# Allegro board 8880F5-0823_RXTX.brd (continued)
## Placement (name value [footprint] x y rotation side) (continued)
TP_AUXVCC  TP01  [TP_040_T]  101.29 247.61 180 top
TP_AVDD11_RX  TP01  [TP_040_T]  158.96 292.1 180 top
TP_AVDD11_XTAL  TP01  [TP_040_T]  201.21 275.59 0 top
TP_AVDD18_RX  TP01  [TP_040_T]  168.7 292.1 0 top
TP_PLL_M_VDD33  TP01  [TP_040_T]  201.21 292.1 0 top
TP_PLL_TX_VDD33  TP01  [TP_040_T]  191.48 292.1 180 top
TP_VCC3V3  TP01  [TP_040_T]  96.42 247.66 180 top
TP_VDD_IO_33  TP01  [TP_040_T]  175.47 292.1 180 top
TP_VDD_TXREG_33_B  TP01  [TP_040_T]  168.7 275.59 0 top
TP_VDD_TXREG_33_T  TP01  [TP_040_T]  158.96 275.59 180 top
TP_VDDA_33_LV  TP01  [TP_040_T]  185.21 292.1 0 top
TP_VDDC_11  TP01  [TP_040_T]  118.32 290.83 180 top
TP_VDDTXPST_11_B  TP01  [TP_040_T]  185.21 275.59 0 top
TP_VDDTXPST_11_T  TP01  [TP_040_T]  175.47 275.59 180 top
TP_XTAL_IN  TP01  [TP_040_T]  226.85 271.67 0 top
TP_XTAL_OUT  TP01  [TP_040_T]  226.85 276.97 0 top
TPL1  TPL01  [TPL_040_014_TB]  73.41 239.01 0 top
TPL2  TPL01  [TPL_040_014_TB]  78.49 244.09 0 top
TPL3  TPL01  [TPL_040_014_TB]  68.33 228.85 0 top
TPL4  TPL01  [TPL_040_014_TB]  68.33 239.01 0 top
TPL5  TPL01  [TPL_040_014_TB]  73.41 244.09 0 top
TPL6  TPL01  [TPL_040_014_TB]  68.33 233.93 0 top
TPL7  TPL01  [TPL_040_014_TB]  78.49 233.93 0 top
TPL8  TPL01  [TPL_040_014_TB]  73.41 233.93 0 top
TPL9  TPL01  [TPL_040_014_TB]  68.33 244.09 0 top
TPL10  TPL01  [TPL_040_014_TB]  78.49 239.01 0 top
TPL11  TPL01  [TPL_040_014_TB]  73.41 218.69 0 top
TPL12  TPL01  [TPL_040_014_TB]  78.49 218.69 0 top
TPL13  TPL01  [TPL_040_014_TB]  83.57 223.77 0 top
TPL14  TPL01  [TPL_040_014_TB]  83.57 218.69 0 top
TPL15  TPL01  [TPL_040_014_TB]  73.41 228.85 0 top
TPL16  TPL01  [TPL_040_014_TB]  68.33 223.77 0 top
TPL17  TPL01  [TPL_040_014_TB]  68.33 218.69 0 top
TPL18  TPL01  [TPL_040_014_TB]  78.49 223.77 0 top
TPL19  TPL01  [TPL_040_014_TB]  73.41 223.77 0 top
TPL20  TPL01  [TPL_040_014_TB]  78.49 228.85 0 top
TPL21  TPL01  [TPL_040_014_TB]  452.63 249.17 0 top
TPL22  TPL01  [TPL_040_014_TB]  452.63 259.33 0 top
TPL23  TPL01  [TPL_040_014_TB]  452.63 264.41 0 top
TPL24  TPL01  [TPL_040_014_TB]  452.63 254.25 0 top
TPL25  TPL01  [TPL_040_014_TB]  452.63 244.09 0 top
TPL26  TPL01  [TPL_040_014_TB]  457.71 244.09 0 top
TPL27  TPL01  [TPL_040_014_TB]  452.63 269.49 0 top
TPL28  TPL01  [TPL_040_014_TB]  457.71 249.17 0 top
TPL29  TPL01  [TPL_040_014_TB]  457.71 269.49 0 top
TPL30  TPL01  [TPL_040_014_TB]  457.71 264.41 0 top
TPL31  TPL01  [TPL_040_014_TB]  457.71 259.33 0 top
TPL32  TPL01  [TPL_040_014_TB]  457.71 254.25 0 top
TPL33  TPL01  [TPL_040_014_TB]  462.79 244.09 0 top
TPL34  TPL01  [TPL_040_014_TB]  467.87 249.17 0 top
TPL35  TPL01  [TPL_040_014_TB]  467.87 244.09 0 top
TPL36  TPL01  [TPL_040_014_TB]  462.79 249.17 0 top
TPL37  TPL01  [TPL_040_014_TB]  462.79 269.49 0 top
TPL38  TPL01  [TPL_040_014_TB]  462.79 259.33 0 top
TPL39  TPL01  [TPL_040_014_TB]  462.79 254.25 0 top
TPL40  TPL01  [TPL_040_014_TB]  462.79 264.41 0 top
U1  SOLDER-DIP8-SOCKET  [DIP8_300X100_RLPIN]  104.66 205.54 90 bottom
U2  SOLDER-DIP8-SOCKET  [DIP8_300X100_RLPIN]  104.76 219.15 90 bottom
UB1  AT24C04C-SSHM-SO8  [SO8_215X127MM]  218.44 13.97 180 bottom
UF1  MX25L4006EM2I-12G-SOP8  [SOCKET_CODE]  104.66 205.54 270 top
UF2  MX25L4006EM2I-12G-SOP8  [SOCKET_CODE]  104.75 219.2 270 top
UNK2C3  0.1U-16-X-S4-MU  [C0402]  289.81 132.08 180 bottom
UNK2C4  0.1U-16-X-S4-MU  [C0402]  287.27 132.08 180 bottom
UNK2C5  22P-50-N-S4-AVX  [C0402]  301.21 277.48 90 bottom
UNK2C6  22P-50-N-S4-AVX  [C0402]  301.21 271.16 270 bottom
UNK2C7  0.1U-16-X-S4-MU  [C0402]  468.12 235.71 180 bottom
UNK2C8  0.1U-16-X-S4-MU  [C0402]  475.39 204.98 0 bottom
UNK2C9  0.1U-16-X-S4-MU  [C0402]  475.49 218.59 0 bottom
UNK2CA1  NC/10U-10-X6S-S6-MU  [C0603]  462.91 293.37 0 bottom
UNK2CA2  NC/47U-10-X5R-S8-TDK  [C0805]  463.02 295.27 0 bottom
UNK2CA3  NC/10U-10-X6S-S6-MU  [C0603]  451.49 293.37 180 bottom
UNK2CA4  NC/47U-10-X5R-S8-TDK  [C0805]  451.38 295.27 180 bottom
UNK2CA5  NC/10U-10-X6S-S6-MU  [C0603]  484.5 293.37 180 bottom
UNK2CA6  NC/47U-10-X5R-S8-TDK  [C0805]  484.4 295.27 180 bottom
UNK2CA7  NC/10U-10-X6S-S6-MU  [C0603]  462.91 276.86 0 bottom
UNK2CA8  NC/47U-10-X5R-S8-TDK  [C0805]  463.02 278.76 0 bottom
UNK2CA9  NC/10U-10-X6S-S6-MU  [C0603]  451.49 276.86 180 bottom
UNK2CA10  NC/47U-10-X5R-S8-TDK  [C0805]  451.38 278.76 180 bottom
UNK2CA11  NC/10U-10-X6S-S6-MU  [C0603]  495.93 276.86 0 bottom
UNK2CA12  NC/47U-10-X5R-S8-TDK  [C0805]  496.04 278.76 0 bottom
UNK2CA13  NC/47U-10-X5R-S8-TDK  [C0805]  479.53 295.27 0 bottom
UNK2CA14  NC/10U-10-X6S-S6-MU  [C0603]  479.42 293.37 0 bottom
UNK2CA15  NC/47U-10-X5R-S8-TDK  [C0805]  467.89 295.27 180 bottom
UNK2CA16  NC/10U-10-X6S-S6-MU  [C0603]  468 293.37 180 bottom
UNK2CA17  NC/47U-10-X5R-S8-TDK  [C0805]  479.53 278.76 0 bottom
UNK2CA18  NC/10U-10-X6S-S6-MU  [C0603]  479.42 276.86 0 bottom
UNK2CA19  NC/47U-10-X5R-S8-TDK  [C0805]  91.09 249.81 180 bottom
UNK2CA20  NC/10U-10-X6S-S6-MU  [C0603]  91.19 247.9 180 bottom
UNK2CA21  10U-10-X6S-S6-MU  [C0603]  462.91 290.83 0 bottom
UNK2CA22  10U-10-X6S-S6-MU  [C0603]  451.49 290.83 180 bottom
UNK2CA23  10U-10-X6S-S6-MU  [C0603]  484.5 290.83 180 bottom
UNK2CA24  10U-10-X6S-S6-MU  [C0603]  462.91 274.32 0 bottom
UNK2CA25  10U-10-X6S-S6-MU  [C0603]  451.49 274.32 180 bottom
UNK2CA26  10U-10-X6S-S6-MU  [C0603]  495.93 274.32 0 bottom
UNK2CA27  10U-10-X6S-S6-MU  [C0603]  479.42 290.83 0 bottom
UNK2CA28  10U-10-X6S-S6-MU  [C0603]  468 290.83 180 bottom
UNK2CA29  10U-10-X6S-S6-MU  [C0603]  479.42 274.32 0 bottom
UNK2CA30  NC/47U-10-X5R-S8-TDK  [C0805]  86.22 249.86 180 bottom
UNK2CA31  10U-10-X6S-S6-MU  [C0603]  86.32 247.96 180 bottom
UNK2CA32  NC/10U-10-X6S-S6-MU  [C0603]  512.44 293.37 0 bottom
UNK2CA33  NC/47U-10-X5R-S8-TDK  [C0805]  512.55 295.27 0 bottom
UNK2CA34  10U-10-X6S-S6-MU  [C0603]  512.44 290.83 0 bottom
UNK2CA35  NC/10U-10-X6S-S6-MU  [C0603]  484.5 276.86 180 bottom
UNK2CA36  NC/47U-10-X5R-S8-TDK  [C0805]  484.4 278.76 180 bottom
UNK2CA37  10U-10-X6S-S6-MU  [C0603]  484.5 274.32 180 bottom
UNK2CA38  NC/10U-10-X6S-S6-MU  [C0603]  468 276.86 180 bottom
UNK2CA39  NC/47U-10-X5R-S8-TDK  [C0805]  467.89 278.76 180 bottom
UNK2CA40  10U-10-X6S-S6-MU  [C0603]  468 274.32 180 bottom
UNK2CC1  0.47U-10-X6S-S2-TY  [C0201]  317.98 224.12 90 bottom
UNK2CC2  4.7U-10-X6T-S4-MU  [C0402]  316.32 222.4 270 bottom
UNK2CC4  0.47U-10-X6S-S2-TY  [C0201]  309.81 247.93 0 bottom
UNK2CC6  0.47U-10-X6S-S2-TY  [C0201]  330.17 224.12 90 bottom
UNK2CC7  0.47U-10-X6S-S2-TY  [C0201]  309.81 246.66 0 bottom
UNK2CC8  0.47U-10-X6S-S2-TY  [C0201]  343.63 224.12 90 bottom
UNK2CC9  0.47U-10-X6S-S2-TY  [C0201]  334.61 266.16 270 bottom
UNK2CC11  0.47U-10-X6S-S2-TY  [C0201]  331.06 224.12 90 bottom
UNK2CC13  0.47U-10-X6S-S2-TY  [C0201]  336.77 224.12 90 bottom
UNK2CC15  4.7U-2.5-X6S-S2-MU  [C0201]  339.65 264.95 90 bottom
UNK2CC16  NC/4.7U-2.5-X6S-S2-MU  [C0201]  351.64 249.5 0 bottom
UNK2CC17  4.7U-2.5-X6S-S2-MU  [C0201]  309.81 253.69 0 bottom
UNK2CC19  0.47U-10-X6S-S2-TY  [C0201]  332.83 266.16 270 bottom
UNK2CC20  4.7U-10-X6T-S4-MU  [C0402]  334.11 267.66 0 bottom
UNK2CC22  0.47U-10-X6S-S2-TY  [C0201]  331.05 266.16 270 bottom
UNK2CC23  4.7U-10-X6T-S4-MU  [C0402]  330.34 253.09 270 bottom
UNK2CC25  0.47U-10-X6S-S2-TY  [C0201]  352.85 245.18 180 bottom
UNK2CC26  0.47U-10-X6S-S2-TY  [C0201]  333.72 266.16 270 bottom
UNK2CC27  0.47U-10-X6S-S2-TY  [C0201]  352.85 249.5 180 bottom
UNK2CC28  0.47U-10-X6S-S2-TY  [C0201]  339.65 266.16 270 bottom
UNK2CC29  0.47U-10-X6S-S2-TY  [C0201]  311.03 253.69 180 bottom
UNK2CC30  0.47U-10-X6S-S2-TY  [C0201]  309.81 243.41 0 bottom
UNK2CC31  0.47U-10-X6S-S2-TY  [C0201]  329.28 224.12 90 bottom
UNK2CC32  0.47U-10-X6S-S2-TY  [C0201]  342.36 224.12 90 bottom
UNK2CC33  0.47U-10-X6S-S2-TY  [C0201]  352.85 243.91 180 bottom
UNK2CC34  0.47U-10-X6S-S2-TY  [C0201]  331.94 266.16 270 bottom
UNK2CC35  0.47U-10-X6S-S2-TY  [C0201]  352.85 241.37 180 bottom
UNK2CC36  0.47U-10-X6S-S2-TY  [C0201]  352.85 242.64 180 bottom
UNK2CC37  0.47U-10-X6S-S2-TY  [C0201]  327.57 264.95 90 bottom
UNK2CC38  NC/4.7U-2.5-X6S-S2-MU  [C0201]  327.57 266.16 270 bottom
UNK2CC39  0.47U-10-X6S-S2-TY  [C0201]  311.03 249.2 180 bottom
UNK2CC40  4.7U-2.5-X6S-S2-MU  [C0201]  338.5 246.67 180 bottom
UNK2CC41  4.7U-2.5-X6S-S2-MU  [C0201]  309.81 249.2 0 bottom
UNK2CC42  4.7U-2.5-X6S-S2-MU  [C0201]  331.54 253.03 90 bottom
UNK2CD1  0.1U-10-X7R-S2-MU  [C0201]  317.98 225.34 270 top
UNK2CD3  0.1U-10-X7R-S2-MU  [C0201]  351.64 241.37 0 top
UNK2CD4  0.1U-10-X7R-S2-MU  [C0201]  334.61 264.95 90 top
UNK2CD5  0.1U-10-X7R-S2-MU  [C0201]  343.63 225.34 270 top
UNK2CD6  0.1U-10-X7R-S2-MU  [C0201]  311.03 246.66 180 top
UNK2CD7  0.1U-10-X7R-S2-MU  [C0201]  351.64 242.64 0 top
UNK2CD8  0.1U-10-X7R-S2-MU  [C0201]  331.06 225.34 270 top
UNK2CD9  0.1U-10-X7R-S2-MU  [C0201]  336.77 225.34 270 top
UNK2CD10  0.1U-10-X7R-S2-MU  [C0201]  351.64 249.5 0 top
UNK2CD11  0.1U-10-X7R-S2-MU  [C0201]  339.65 264.95 90 top
UNK2CD12  0.1U-10-X7R-S2-MU  [C0201]  311.03 253.69 180 top
UNK2CD13  0.1U-10-X7R-S2-MU  [C0201]  332.83 264.95 90 top
UNK2CD14  0.1U-10-X7R-S2-MU  [C0201]  331.05 264.95 90 top
UNK2CD15  0.1U-10-X7R-S2-MU  [C0201]  351.64 245.18 0 top
UNK2CD16  0.1U-10-X7R-S2-MU  [C0201]  333.72 264.95 90 top
UNK2CD17  0.1U-10-X7R-S2-MU  [C0201]  311.03 247.93 180 top
UNK2CD18  0.1U-10-X7R-S2-MU  [C0201]  331.94 264.95 90 top
UNK2CD19  0.1U-10-X7R-S2-MU  [C0201]  311.03 243.41 180 top
UNK2CD20  0.1U-10-X7R-S2-MU  [C0201]  351.64 243.91 0 top
UNK2CD21  0.1U-10-X7R-S2-MU  [C0201]  342.36 225.34 270 top
UNK2CD22  0.1U-10-X7R-S2-MU  [C0201]  329.28 225.34 270 top
UNK2CD23  0.1U-10-X7R-S2-MU  [C0201]  330.17 225.34 270 top
UNK2CD24  0.1U-10-X7R-S2-MU  [C0201]  327.57 264.95 90 top
UNK2CD25  0.1U-10-X7R-S2-MU  [C0201]  311.03 249.2 180 top
UNK2GND1  TP01  [TP_040_T]  450.43 295.27 0 top
UNK2GND2  TP01  [TP_040_T]  463.97 295.27 180 top
UNK2GND3  TP01  [TP_040_T]  483.45 295.27 0 top
UNK2GND4  TP01  [TP_040_T]  450.43 278.76 0 top
UNK2GND5  TP01  [TP_040_T]  463.97 278.76 180 top
UNK2GND6  TP01  [TP_040_T]  483.45 278.76 0 top
UNK2GND7  TP01  [TP_040_T]  480.48 295.27 180 top
UNK2GND8  TP01  [TP_040_T]  466.94 295.27 0 top
UNK2GND9  TP01  [TP_040_T]  480.48 278.76 180 top
UNK2GND10  TP01  [TP_040_T]  90.11 249.76 0 top
UNK2GND11  TP01  [TP_040_T]  85.24 249.81 0 top
UNK2GND12  TP01  [TP_040_T]  513.5 295.27 180 top
UNK2GND13  TP01  [TP_040_T]  496.99 278.76 180 top
UNK2GND14  TP01  [TP_040_T]  466.94 278.76 0 top
UNK2J1  HDR-2X1-M  [JP_2P_100]  468.63 233.43 90 bottom
UNK2J2  HDR-3X1-M  [JP_3P_100]  490.87 228.66 270 bottom
UNK2J3  HDR-3X1-M  [JP_3P_100]  490.87 214.94 270 bottom
UNK2J4  HDR-2X1-M  [JP_2P_100]  483.11 243.33 270 bottom
UNK2J5  HDR-2X1-M  [JP_2P_100]  483.11 231.65 270 bottom
UNK2K1  G6K-2F-RF-T-5V-SPECIAL  [RL_G6K2FRT_8P_5V_GR]  414.27 293.12 0 bottom
UNK2K2  G6K-2F-RF-T-5V-SPECIAL  [RL_G6K2FRT_8P_5V_GR]  414.27 277.37 0 bottom
UNK2K3  G6K-2F-RF-T-5V-SPECIAL  [RL_G6K2FRT_8P_5V_GR]  400.3 245.11 0 bottom
UNK2K4  G6K-2F-RF-T-5V-SPECIAL  [RL_G6K2FRT_8P_5V_GR]  373.38 277.11 0 bottom
UNK2K5  G6K-2F-RF-T-5V-SPECIAL  [RL_G6K2FRT_8P_5V_GR]  400.3 261.37 0 bottom
UNK2K6  G6K-2F-RF-T-5V-SPECIAL  [RL_G6K2FRT_8P_5V_GR]  400.3 277.11 0 bottom
UNK2K7  G6K-2F-RF-T-5V-SPECIAL  [RL_G6K2FRT_8P_5V_GR]  386.84 277.11 0 bottom
UNK2K8  G6K-2F-RF-T-5V-SPECIAL  [RL_G6K2FRT_8P_5V_GR]  386.84 293.12 0 bottom
UNK2K9  UA2-5NJ-A-V3  [RL_NECUA2_5V_V3]  299.96 235.46 90 bottom
UNK2K10  UA2-5NJ-A-V3  [RL_NECUA2_5V_V3]  467.11 228.6 180 bottom
UNK2K11  G6K-2F-RF-T-5V-SPECIAL  [RL_G6K2FRT_8P_5V_GR]  414.02 261.37 0 bottom
UNK2K12  UA2-5NJ-A-V3  [RL_NECUA2_5V_V3]  299.96 246.89 90 bottom
UNK2K13  UA2-5NJ-A-V3  [RL_NECUA2_5V_V3]  455.68 228.6 0 bottom
UNK2K14  UA2-5NJ-A-V3  [RL_NECUA2_5V_V3]  467.61 213.36 0 bottom
UNK2K15  UA2-5NJ-A-V3  [RL_NECUA2_5V_V3]  455.64 220.9 0 bottom
UNK2K16  G6K-2F-RF-T-5V-SPECIAL  [RL_G6K2FRT_8P_5V_GR]  373.13 261.11 0 bottom
UNK2K17  G6K-2F-RF-T-5V-SPECIAL  [RL_G6K2FRT_8P_5V_GR]  373.38 293.12 0 bottom
UNK2K18  UB2-5NU-B  [RL_NECUB2_5V]  308.45 274.32 0 bottom
UNK2K19  UA2-5NJ-A-V3  [RL_NECUA2_5V_V3]  467.61 220.98 0 bottom
UNK2K20  UA2-5NJ-A-V3  [RL_NECUA2_5V_V3]  455.68 213.36 0 bottom
UNK2K21  G6K-2F-RF-T-5V-SPECIAL  [RL_G6K2FRT_8P_5V_GR]  400.3 293.12 0 bottom
UNK2K22  G6K-2F-RF-T-5V-SPECIAL  [RL_G6K2FRT_8P_5V_GR]  373.13 228.6 0 bottom
UNK2K23  G6K-2F-RF-T-5V-SPECIAL  [RL_G6K2FRT_8P_5V_GR]  386.84 228.85 0 bottom
UNK2K24  G6K-2F-RF-T-5V-SPECIAL  [RL_G6K2FRT_8P_5V_GR]  386.84 245.11 0 bottom
UNK2K25  G6K-2F-RF-T-5V-SPECIAL  [RL_G6K2FRT_8P_5V_GR]  400.3 229.11 0 bottom
UNK2K26  G6K-2F-RF-T-5V-SPECIAL  [RL_G6K2FRT_8P_5V_GR]  393.45 213.36 0 bottom
UNK2K27  G6K-2F-RF-T-5V-SPECIAL  [RL_G6K2FRT_8P_5V_GR]  379.98 213.11 0 bottom
UNK2K28  UA2-5NJ-A-V3  [RL_NECUA2_5V_V3]  479.04 237.49 180 bottom
UNK2K29  G6K-2F-RF-T-5V-SPECIAL  [RL_G6K2FRT_8P_5V_GR]  373.13 245.11 0 bottom
UNK2K30  G6K-2F-RF-T-5V-SPECIAL  [RL_G6K2FRT_8P_5V_GR]  414.27 245.11 0 bottom
UNK2K31  EC2-5NJ-A  [RL_NECEC2_10P_5V]  506.73 294.64 90 bottom
UNK2K33  NC/UA2-5NJ-A-V3  [RL_NECUA2_5V_V3]  455.68 237.74 0 bottom
UNK2K34  EC2-5NJ-A  [RL_NECEC2_10P_5V]  457.2 294.64 90 bottom
UNK2K36  EC2-5NJ-A  [RL_NECEC2_10P_5V]  490.22 294.64 90 bottom
UNK2K37  EC2-5NJ-A  [RL_NECEC2_10P_5V]  457.2 278.13 90 bottom
UNK2K39  EC2-5NJ-A  [RL_NECEC2_10P_5V]  490.22 278.13 90 bottom
UNK2K40  EC2-5NJ-A  [RL_NECEC2_10P_5V]  473.71 294.64 90 bottom
UNK2K42  EC2-5NJ-A  [RL_NECEC2_10P_5V]  473.71 278.13 90 bottom
UNK2K43  G6K-2F-RF-T-5V-SPECIAL  [RL_G6K2FRT_8P_5V_GR]  386.84 261.11 0 bottom
UNK2R1  NC/1M-1-S4  [R0402]  301.23 227.84 180 bottom
UNK2R2  NC/1M-1-S4  [R0402]  298.95 227.84 0 bottom
UNK2R3  NC/100K-1-S4  [R0402]  289.81 130.81 180 bottom
UNK2R4  NC/100K-1-S4  [R0402]  287.27 130.81 180 bottom
UNK2R5  0-5-S4  [R0402]  302.38 272.16 270 bottom
UNK2R6  1M-1-S4  [R0402]  302.38 274.32 270 bottom
UNK2R7  49.9-1-S4  [R0402]  415.95 299.91 180 bottom
UNK2R8  49.9-1-S4  [R0402]  418.1 299.91 180 bottom
UNK2R9  49.9-1-S4  [R0402]  415.95 286.32 180 bottom
UNK2R10  49.9-1-S4  [R0402]  418.1 286.32 180 bottom
UNK2R11  49.9-1-S4  [R0402]  415.95 284.16 180 bottom
UNK2R12  49.9-1-S4  [R0402]  418.1 284.16 180 bottom
UNK2R13  49.9-1-S4  [R0402]  415.95 270.57 180 bottom
UNK2R14  49.9-1-S4  [R0402]  418.1 270.57 180 bottom
UNK2R15  49.9-1-S4  [R0402]  401.98 251.9 180 bottom
UNK2R16  49.9-1-S4  [R0402]  404.13 251.9 180 bottom
UNK2R17  49.9-1-S4  [R0402]  401.98 238.32 180 bottom
UNK2R18  49.9-1-S4  [R0402]  404.13 238.32 180 bottom
UNK2R19  49.9-1-S4  [R0402]  375.06 283.91 180 bottom
UNK2R20  49.9-1-S4  [R0402]  377.2 283.91 180 bottom
UNK2R21  49.9-1-S4  [R0402]  375.06 270.32 180 bottom
UNK2R22  49.9-1-S4  [R0402]  377.2 270.32 180 bottom
UNK2R23  49.9-1-S4  [R0402]  401.98 268.16 180 bottom
UNK2R24  49.9-1-S4  [R0402]  404.13 268.16 180 bottom
UNK2R25  49.9-1-S4  [R0402]  401.98 254.57 180 bottom
UNK2R26  49.9-1-S4  [R0402]  404.13 254.57 180 bottom
UNK2R27  49.9-1-S4  [R0402]  401.98 283.91 180 bottom
UNK2R28  49.9-1-S4  [R0402]  404.13 283.91 180 bottom
UNK2R29  49.9-1-S4  [R0402]  401.98 270.32 180 bottom
UNK2R30  49.9-1-S4  [R0402]  404.13 270.32 180 bottom
UNK2R31  49.9-1-S4  [R0402]  388.52 283.91 180 bottom
UNK2R32  49.9-1-S4  [R0402]  390.66 283.91 180 bottom
UNK2R33  49.9-1-S4  [R0402]  388.52 270.32 180 bottom
UNK2R34  49.9-1-S4  [R0402]  390.66 270.32 180 bottom
UNK2R37  49.9-1-S4  [R0402]  388.52 286.32 180 bottom
UNK2R38  49.9-1-S4  [R0402]  390.66 286.32 180 bottom
UNK2R39  49.9-1-S4  [R0402]  415.7 268.16 180 bottom
UNK2R40  49.9-1-S4  [R0402]  417.84 268.16 180 bottom
UNK2R41  49.9-1-S4  [R0402]  415.7 254.57 180 bottom
UNK2R42  49.9-1-S4  [R0402]  417.84 254.57 180 bottom
UNK2R43  49.9-1-S4  [R0402]  374.8 238.32 180 bottom
UNK2R44  49.9-1-S4  [R0402]  376.95 238.32 180 bottom
UNK2R45  49.9-1-S4  [R0402]  374.8 221.81 180 bottom
UNK2R46  49.9-1-S4  [R0402]  376.95 221.81 180 bottom
UNK2R47  49.9-1-S4  [R0402]  388.52 235.65 180 bottom
UNK2R48  49.9-1-S4  [R0402]  390.66 235.65 180 bottom
UNK2R49  49.9-1-S4  [R0402]  388.52 222.06 180 bottom
UNK2R50  49.9-1-S4  [R0402]  390.66 222.06 180 bottom
UNK2R51  49.9-1-S4  [R0402]  388.52 251.9 180 bottom
UNK2R52  49.9-1-S4  [R0402]  390.66 251.9 180 bottom
UNK2R53  49.9-1-S4  [R0402]  388.52 238.32 180 bottom
UNK2R54  49.9-1-S4  [R0402]  390.66 238.32 180 bottom
UNK2R55  49.9-1-S4  [R0402]  401.98 235.9 180 bottom
UNK2R56  49.9-1-S4  [R0402]  404.13 235.9 180 bottom
UNK2R57  49.9-1-S4  [R0402]  401.98 222.31 180 bottom
UNK2R58  49.9-1-S4  [R0402]  404.13 222.31 180 bottom
UNK2R59  49.9-1-S4  [R0402]  395.12 220.15 180 bottom
UNK2R60  49.9-1-S4  [R0402]  397.27 220.15 180 bottom
UNK2R61  49.9-1-S4  [R0402]  395.12 206.57 180 bottom
UNK2R62  49.9-1-S4  [R0402]  397.27 206.57 180 bottom
UNK2R63  49.9-1-S4  [R0402]  415.95 251.9 180 bottom
UNK2R64  49.9-1-S4  [R0402]  418.1 251.9 180 bottom
UNK2R65  49.9-1-S4  [R0402]  381.66 206.31 180 bottom
UNK2R66  49.9-1-S4  [R0402]  383.81 206.31 180 bottom
UNK2R67  49.9-1-S4  [R0402]  374.8 267.91 180 bottom
UNK2R68  49.9-1-S4  [R0402]  376.95 267.91 180 bottom
UNK2R69  49.9-1-S4  [R0402]  374.8 254.32 180 bottom
UNK2R70  49.9-1-S4  [R0402]  376.95 254.32 180 bottom
UNK2R71  49.9-1-S4  [R0402]  375.06 299.91 180 bottom
UNK2R72  49.9-1-S4  [R0402]  377.2 299.91 180 bottom
UNK2R73  49.9-1-S4  [R0402]  375.06 286.32 180 bottom
UNK2R74  49.9-1-S4  [R0402]  377.2 286.32 180 bottom
UNK2R75  49.9-1-S4  [R0402]  401.98 299.91 180 bottom
UNK2R76  49.9-1-S4  [R0402]  404.13 299.91 180 bottom
UNK2R77  49.9-1-S4  [R0402]  401.98 286.32 180 bottom
UNK2R78  49.9-1-S4  [R0402]  404.13 286.32 180 bottom
UNK2R79  49.9-1-S4  [R0402]  374.8 251.9 180 bottom
UNK2R80  49.9-1-S4  [R0402]  376.95 251.9 180 bottom
UNK2R82  4.7K-1-S4-WA  [R0402]  456.75 233.88 0 bottom
UNK2R83  4.7K-1-S4-WA  [R0402]  482.6 241.3 0 bottom
UNK2R84  4.7K-1-S4-WA  [R0402]  482.6 233.68 0 bottom
UNK2R85  100K-1-S4  [R0402]  465.07 235.71 0 bottom
UNK2R86  4.7K-1-S4-WA  [R0402]  486.3 226.62 0 bottom
UNK2R87  4.7K-1-S4-WA  [R0402]  475.49 230.78 0 bottom
UNK2R88  4.7K-1-S4-WA  [R0402]  478.03 230.78 0 bottom
UNK2R89  4.7K-1-S4-WA  [R0402]  490.6 226.67 180 bottom
UNK2R90  4.7K-1-S4-WA  [R0402]  478.03 218.59 0 bottom
UNK2R91  4.7K-1-S4-WA  [R0402]  480.57 218.59 0 bottom
UNK2R92  4.7K-1-S4-WA  [R0402]  483.11 218.59 0 bottom
UNK2R93  4.7K-1-S4-WA  [R0402]  486.3 212.91 0 bottom
UNK2R94  4.7K-1-S4-WA  [R0402]  475.37 217.23 180 bottom
UNK2R95  4.7K-1-S4-WA  [R0402]  477.93 217.17 0 bottom
UNK2R96  4.7K-1-S4-WA  [R0402]  490.36 212.91 180 bottom
UNK2R97  4.7K-1-S4-WA  [R0402]  477.93 204.98 0 bottom
UNK2R98  4.7K-1-S4-WA  [R0402]  480.47 204.98 0 bottom
UNK2R99  4.7K-1-S4-WA  [R0402]  483.01 204.98 0 bottom
UNK2R100  49.9-1-S4  [R0402]  415.95 238.32 180 bottom
UNK2R101  49.9-1-S4  [R0402]  418.1 238.32 180 bottom
UNK2R102  49.9-1-S4  [R0402]  374.8 235.39 180 bottom
UNK2R103  49.9-1-S4  [R0402]  376.95 235.39 180 bottom
UNK2R104  49.9-1-S4  [R0402]  381.66 219.9 180 bottom
UNK2R105  49.9-1-S4  [R0402]  383.81 219.9 180 bottom
UNK2R117  1K-1-S4  [R0402]  452.18 233.88 0 bottom
UNK2R118  NC/0-5-S4  [R0402]  310.41 245.39 180 bottom
UNK2R119  4.7K-1-S4-WA  [R0402]  452.12 224.79 180 bottom
UNK2R120  4.7K-1-S4-WA  [R0402]  452.12 232.41 180 bottom
UNK2R125  0-5-S4  [R0402]  456.44 209.55 0 bottom
UNK2R126  0-5-S4  [R0402]  452.37 209.55 0 bottom
UNK2R127  0-5-S4  [R0402]  456.69 217.17 0 bottom
UNK2R128  0-5-S4  [R0402]  452.12 217.17 0 bottom
UNK2R129  0-5-S4  [R0402]  301.23 229.11 180 bottom
UNK2R130  0-5-S4  [R0402]  298.95 229.11 0 bottom
UNK2R131  50-0.1-S4-HF-VI  [R0402]  303.77 243.33 90 bottom
UNK2R132  50-0.1-S4-HF-VI  [R0402]  296.15 243.33 90 bottom
UNK2R133  0-5-S4  [R0402]  302.38 276.48 90 bottom
UNK2SH1  SHORT  [DEFAULT_SHORT_SMALL]  462.05 291.99 0 top
UNK2SH2  SHORT  [DEFAULT_SHORT_SMALL]  464 291.99 0 top
UNK2SH3  SHORT  [DEFAULT_SHORT_SMALL]  452.21 291.99 0 top
UNK2SH4  SHORT  [DEFAULT_SHORT_SMALL]  450.26 292.12 180 top
UNK2SH5  SHORT  [DEFAULT_SHORT_SMALL]  485.23 291.99 0 top
UNK2SH6  SHORT  [DEFAULT_SHORT_SMALL]  483.28 292.12 180 top
UNK2SH7  SHORT  [DEFAULT_SHORT_SMALL]  462.05 275.48 0 top
UNK2SH8  SHORT  [DEFAULT_SHORT_SMALL]  450.26 275.61 180 top
UNK2SH9  SHORT  [DEFAULT_SHORT_SMALL]  464 275.48 0 top
UNK2SH10  SHORT  [DEFAULT_SHORT_SMALL]  452.21 275.48 0 top
UNK2SH11  SHORT  [DEFAULT_SHORT_SMALL]  483.28 275.61 180 top
UNK2SH12  SHORT  [DEFAULT_SHORT_SMALL]  495.07 275.48 0 top
UNK2SH13  SHORT  [DEFAULT_SHORT_SMALL]  480.51 291.99 0 top
UNK2SH14  SHORT  [DEFAULT_SHORT_SMALL]  478.56 291.99 0 top
UNK2SH15  SHORT  [DEFAULT_SHORT_SMALL]  466.77 292.12 180 top
UNK2SH16  SHORT  [DEFAULT_SHORT_SMALL]  468.72 291.99 0 top
UNK2SH17  SHORT  [DEFAULT_SHORT_SMALL]  466.77 275.61 180 top
UNK2SH18  SHORT  [DEFAULT_SHORT_SMALL]  478.56 275.48 0 top
UNK2SH19  SHORT  [DEFAULT_SHORT_SMALL]  90.17 246.75 0 top
UNK2SH20  SHORT  [DEFAULT_SHORT_SMALL]  92.37 246.75 0 top
UNK2SH21  SHORT  [DEFAULT_SHORT_SMALL]  85.31 246.8 0 top
UNK2SH22  SHORT  [DEFAULT_SHORT_SMALL]  87.51 246.8 0 top
UNK2SH23  SHORT  [DEFAULT_SHORT_SMALL]  511.58 291.99 0 top
UNK2SH24  SHORT  [DEFAULT_SHORT_SMALL]  513.76 291.86 180 top
UNK2SH25  SHORT  [DEFAULT_SHORT_SMALL]  485.23 275.48 0 top
UNK2SH26  SHORT  [DEFAULT_SHORT_SMALL]  497.02 275.48 0 top
UNK2SH27  SHORT  [DEFAULT_SHORT_SMALL]  468.72 275.48 0 top
UNK2SH28  SHORT  [DEFAULT_SHORT_SMALL]  480.51 275.48 0 top
UNK2TP_AUXVCC  TP01  [TP_040_T]  92.04 247.9 180 top
UNK2TP_AVDD11_RX  TP01  [TP_040_T]  452.33 276.86 180 top
UNK2TP_AVDD11_XTAL  TP01  [TP_040_T]  511.6 293.37 0 top
UNK2TP_AVDD18_RX  TP01  [TP_040_T]  462.07 276.86 0 top
UNK2TP_PLL_M_VDD33  TP01  [TP_040_T]  478.58 293.37 0 top
UNK2TP_PLL_TX_VDD33  TP01  [TP_040_T]  468.84 293.37 180 top
UNK2TP_VCC3V3  TP01  [TP_040_T]  87.17 247.96 180 top
UNK2TP_VDD_IO_33  TP01  [TP_040_T]  452.33 293.37 180 top
UNK2TP_VDD_TXREG_33_B  TP01  [TP_040_T]  478.58 276.86 0 top
UNK2TP_VDD_TXREG_33_T  TP01  [TP_040_T]  468.84 276.86 180 top
UNK2TP_VDDA_33_LV  TP01  [TP_040_T]  462.07 293.37 0 top
UNK2TP_VDDC_11  TP01  [TP_040_T]  485.35 293.37 180 top
UNK2TP_VDDTXPST_11_B  TP01  [TP_040_T]  495.09 276.86 0 top
UNK2TP_VDDTXPST_11_T  TP01  [TP_040_T]  485.35 276.86 180 top
UNK2TP_XTAL_IN  TP01  [TP_040_T]  306.85 271.67 0 top
UNK2TP_XTAL_OUT  TP01  [TP_040_T]  306.85 276.97 0 top
UNK2U1  SOLDER-DIP8-SOCKET  [DIP8_300X100_RLPIN]  474.97 228.55 270 bottom
UNK2U2  SOLDER-DIP8-SOCKET  [DIP8_300X100_RLPIN]  474.87 214.94 270 bottom
UNK2UF1  MX25L4006EM2I-12G-SOP8  [SOCKET_CODE]  360.09 283.74 180 top
UNK2UF2  MX25L4006EM2I-12G-SOP8  [SOCKET_CODE]  474.97 228.55 90 top
UNK2Y1  XTAL27M-S2520-ABRACON-10P  [XTAL_2X2P5MM_4P]  298.76 274.89 270 bottom
UNK2Y2  NC/XTAL27M-S3225-TXC-10P  [XTAL_3P2X2P5MM_4P_TXC_0201]  298.76 274.89 270 bottom
UNK3C3  0.1U-16-X-S4-MU  [C0402]  192.28 132.33 180 bottom
UNK3C4  0.1U-16-X-S4-MU  [C0402]  189.74 132.33 180 bottom
UNK3C5  22P-50-N-S4-AVX  [C0402]  221.21 217.48 90 bottom
UNK3C6  22P-50-N-S4-AVX  [C0402]  221.21 211.16 270 bottom
UNK3C7  0.1U-16-X-S4-MU  [C0402]  111 186.44 0 bottom
UNK3C8  0.1U-16-X-S4-MU  [C0402]  104.39 171.81 180 bottom
UNK3C9  0.1U-16-X-S4-MU  [C0402]  104.49 185.42 180 bottom
UNK3CA1  NC/10U-10-X6S-S6-MU  [C0603]  112.39 290.83 0 bottom
UNK3CA2  NC/47U-10-X5R-S8-TDK  [C0805]  112.5 292.74 0 bottom
UNK3CA3  NC/10U-10-X6S-S6-MU  [C0603]  100.96 290.83 180 bottom
UNK3CA4  NC/47U-10-X5R-S8-TDK  [C0805]  100.86 292.74 180 bottom
UNK3CA5  NC/10U-10-X6S-S6-MU  [C0603]  100.96 274.32 180 bottom
UNK3CA6  NC/47U-10-X5R-S8-TDK  [C0805]  100.86 276.23 180 bottom
UNK3CA7  NC/10U-10-X6S-S6-MU  [C0603]  128.9 274.32 0 bottom
UNK3CA8  NC/47U-10-X5R-S8-TDK  [C0805]  129.01 276.23 0 bottom
UNK3CA9  NC/10U-10-X6S-S6-MU  [C0603]  117.47 274.32 180 bottom
UNK3CA10  NC/47U-10-X5R-S8-TDK  [C0805]  117.37 276.23 180 bottom
UNK3CA11  NC/10U-10-X6S-S6-MU  [C0603]  76.83 290.83 0 bottom
UNK3CA12  NC/47U-10-X5R-S8-TDK  [C0805]  76.94 292.74 0 bottom
UNK3CA13  NC/47U-10-X5R-S8-TDK  [C0805]  94.72 292.74 0 bottom
UNK3CA14  NC/10U-10-X6S-S6-MU  [C0603]  94.61 290.83 0 bottom
UNK3CA15  NC/47U-10-X5R-S8-TDK  [C0805]  83.08 292.74 180 bottom
UNK3CA16  NC/10U-10-X6S-S6-MU  [C0603]  83.18 290.83 180 bottom
UNK3CA17  NC/47U-10-X5R-S8-TDK  [C0805]  76.94 276.23 0 bottom
UNK3CA18  NC/10U-10-X6S-S6-MU  [C0603]  76.83 274.32 0 bottom
UNK3CA19  NC/47U-10-X5R-S8-TDK  [C0805]  111.1 249.13 180 bottom
UNK3CA20  NC/10U-10-X6S-S6-MU  [C0603]  111.2 247.23 180 bottom
UNK3CA21  10U-10-X6S-S6-MU  [C0603]  112.39 288.29 0 bottom
UNK3CA22  10U-10-X6S-S6-MU  [C0603]  100.96 288.29 180 bottom
UNK3CA23  10U-10-X6S-S6-MU  [C0603]  100.96 271.78 180 bottom
UNK3CA24  10U-10-X6S-S6-MU  [C0603]  128.9 271.78 0 bottom
UNK3CA25  10U-10-X6S-S6-MU  [C0603]  117.47 271.78 180 bottom
UNK3CA26  10U-10-X6S-S6-MU  [C0603]  76.83 288.29 0 bottom
UNK3CA27  10U-10-X6S-S6-MU  [C0603]  94.61 288.29 0 bottom
UNK3CA28  10U-10-X6S-S6-MU  [C0603]  83.18 288.29 180 bottom
UNK3CA29  10U-10-X6S-S6-MU  [C0603]  76.83 271.78 0 bottom
UNK3CA30  NC/47U-10-X5R-S8-TDK  [C0805]  106.23 249.19 180 bottom
UNK3CA31  10U-10-X6S-S6-MU  [C0603]  106.33 247.28 180 bottom
UNK3CA32  NC/10U-10-X6S-S6-MU  [C0603]  94.61 274.32 0 bottom
